# Altium PCB WCAM-TK-PCB-R02.PcbDoc (part 2 of 2)
Units mm, origin at the board's own origin, x right, y up, seen from the top; angles counter-clockwise.
Board outline 206 x 6 mm, 6 copper layers (Top Layer, Layer 1, Layer 2, Layer 3, Layer 4, Bottom Layer), stack 0.887 mm thick; 179 components, 113 nets, 601 pads, 260 vias.
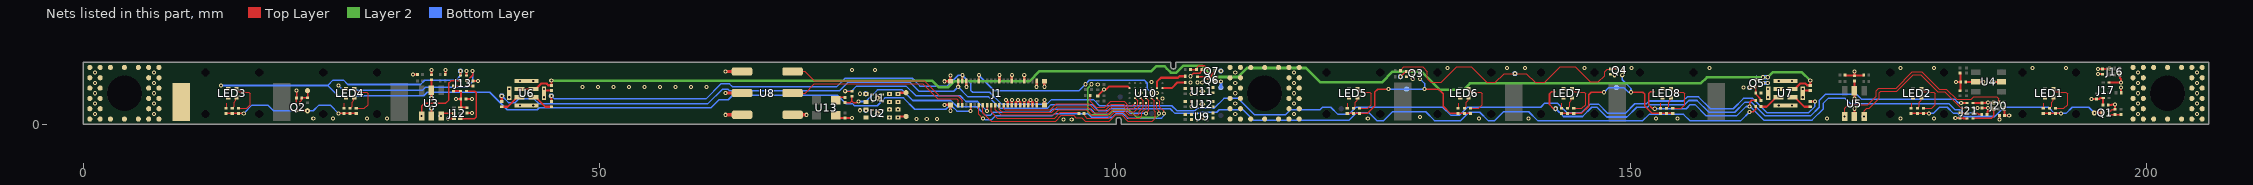
[diagram p6: the nets of this part, all layers, seen from the top]

## Via types
v1: diameter 0.4, hole 0.2, Top Layer to Bottom Layer, tented both sides, 260 vias

## Nets (pads, with @x,y where several pads share a name; then routed paths per layer and width w, separated by ;. In a path a pad name is that pad's centre, name@x,y a point inside that pad or via, vN(x,y) a via of type N, cw(c..) or ccw(c..) an arc to the next point about the centre after c; other vN are vias at no path point) (continued)
GND: C1.2 C2.2 C3.2 C4.2 C5.2 C6.2 C7.2 C8.2 C9.2 C10.2 C11.2 C12.2 C13.2 C14.2 C15.2 C16.2 C17.2 C18.2 C19.2 C20.2 C21.2 C22.2 C23.2 C24.2 C25.2 C26.2 C27.2 C29.2 C30.2 C31.2 C32.2 C33.2 C34.2 C35.2 J1.5 J1.21 J1.26 J1.27 J1.30 J1.32 J1.33 J1.36 J1.38 J1.39 J1.MT J12.3 J13.4 J16.3 J17.4 J20.3 J21.4 J22.1 pad.MT@0.65,0.5 pad.MT@0.65,1.5 pad.MT@0.65,2.5 pad.MT@0.65,3.5 pad.MT@0.65,4.5 pad.MT@0.65,5.5 pad.MT@1.65,0.5 pad.MT@1.65,1.5 pad.MT@1.65,2.5 pad.MT@1.65,3.5 pad.MT@1.65,4.5 pad.MT@1.65,5.5 pad.MT@2.65,0.5 pad.MT@2.65,5.5 pad.MT@4,0.5 pad.MT@4,5.5 pad.MT@5.35,0.5 pad.MT@5.35,5.5 pad.MT@6.35,0.5 pad.MT@6.35,1.5 pad.MT@6.35,2.5 pad.MT@6.35,3.5 pad.MT@6.35,4.5 pad.MT@6.35,5.5 pad.MT@7.35,0.5 pad.MT@7.35,1.5 pad.MT@7.35,2.5 pad.MT@7.35,3.5 pad.MT@7.35,4.5 pad.MT@7.35,5.5 pad.MT@111.15,0.5 pad.MT@111.15,1.5 pad.MT@111.15,2.5 pad.MT@111.15,3.5 pad.MT@111.15,4.5 pad.MT@111.15,5.5 pad.MT@112.15,0.5 pad.MT@112.15,1.5 pad.MT@112.15,2.5 pad.MT@112.15,3.5 pad.MT@112.15,4.5 pad.MT@112.15,5.5 pad.MT@113.15,0.5 pad.MT@113.15,5.5 pad.MT@114.5,0.5 pad.MT@114.5,5.5 pad.MT@115.85,0.5 pad.MT@115.85,5.5 pad.MT@116.85,0.5 pad.MT@116.85,1.5 pad.MT@116.85,2.5 pad.MT@116.85,3.5 pad.MT@116.85,4.5 pad.MT@116.85,5.5 pad.MT@117.85,0.5 pad.MT@117.85,1.5 pad.MT@117.85,2.5 pad.MT@117.85,3.5 pad.MT@117.85,4.5 pad.MT@117.85,5.5 pad.MT@198.65,0.5 pad.MT@198.65,1.5 pad.MT@198.65,2.5 pad.MT@198.65,3.5 pad.MT@198.65,4.5 pad.MT@198.65,5.5 pad.MT@199.65,0.5 pad.MT@199.65,1.5 pad.MT@199.65,2.5 pad.MT@199.65,3.5 pad.MT@199.65,4.5 pad.MT@199.65,5.5 pad.MT@200.65,0.5 pad.MT@200.65,5.5 pad.MT@202,0.5 pad.MT@202,5.5 pad.MT@203.35,0.5 pad.MT@203.35,5.5 pad.MT@204.35,0.5 pad.MT@204.35,1.5 pad.MT@204.35,2.5 pad.MT@204.35,3.5 pad.MT@204.35,4.5 pad.MT@204.35,5.5 pad.MT@205.35,0.5 pad.MT@205.35,1.5 pad.MT@205.35,2.5 pad.MT@205.35,3.5 pad.MT@205.35,4.5 pad.MT@205.35,5.5 Q1.2 Q2.2 Q3.2 Q4.2 Q7.2 R6.1 R17.1 R29.1 R41.1 R59.2 R62.2 TP8.TP TP31.TP U1.2 U1.5 U2.2 U2.5 U3.2 U4.2 U5.2 U6.5 U6.6 U6.7 U6.8 U7.3 U7.5 U7.6 U7.7 U7.8 U8.2 U8.3 U8.4 U9.2 U9.5 U10.B1 U10.C2 U10.C5 U10.D7 U10.E3 U11.2 U11.5 U12.2 U12.5 U13.2 | length 41.3
  Top Layer w0.15: Q2.2@20.65,1.95 20.65,2.52 R17.1@20.68,2.55 v1(20.68,3.25) ; v1(107.3,4.65) 107.3,4.665 107.36,4.725 107.375,4.725 107.6,4.95 108.2,4.95 108.34,5.09 108.34,5.24 R59.2@108.4,5.3 108.4,5.285 108.46,5.225 108.575,5.225 108.825,4.975 Q7.2@109.025,4.975 ; Q1.2@196.275,1.275 196.475,1.275 196.623,1.423 196.873,1.423 R6.1@196.9,1.45
  Top Layer w0.2: v1(31.95,4.8) C8.2@32.4,4.8 ; U3.2@33.75,0.8 v1(33.75,1.55) ; C7.2@33.75,4.8 v1(33.75,5.25) ; C9.2@35.1,4.8 v1(35.1,5.25) ; v1(35.35,0.55) J12.3@35.95,0.55 ; C10.2@37.1,2.45 v1(37.7,2.45) ; J13.4@37.14,4.7 v1(37.14,5.15) ; C11.2@37.2,1.1 v1(37.7,1.1) ; U6.5@44.645,3.262 C22.2@45.37,3.262 ; U13.2@72.925,0.875 73.2,0.6 C35.2@73.85,0.6 v1(74.5,0.6) ; C3.2@79.15,3.05 TP31.TP@79.75,3.05 ; R62.2@98.325,2.73 98.34,2.73 98.375,2.765 98.375,2.8 98.875,3.3 98.875,3.315 98.91,3.35 v1(98.925,3.35) 98.96,3.385 99.136,3.385 99.424,3.674 101.23,3.674 U10.D7@101.41,3.494 ; U7.5@166.645,3.262 C23.2@167.37,3.262 ; C18.2@170.75,4.75 170.75,4.7 C17.2@171.65,4.7 ; U5.2@171.65,0.75 v1(171.65,1.5) ; v1(171.65,5.1) C17.2@171.65,4.7 ; C19.2@172.55,4.75 172.55,4.7 C17.2@171.65,4.7 ; v1(181.5,4.1) C12.2@181.95,4.1 ; C13.2@181.9,3.25 181.915,3.25 181.95,3.285 C12.2@181.95,4.1 ; C14.2@181.9,4.95 181.915,4.95 181.95,4.915 C12.2@181.95,4.1 ; J21.4@183.126,2.061 183.976,2.061 183.984,2.069 184.419,2.069 184.45,2.1 v1(184.6,2.1) J20.3@185.15,2.1 ; v1(185.15,4.1) U4.2@185.9,4.1 ; v1(185.7,0.45) C21.2@185.7,0.85 ; v1(195.252,4.85) C20.2@195.71,4.85 ; C15.2@196.275,1.845 196.285,1.855 196.555,1.855 196.601,1.901 196.892,1.901 v1(196.9,1.908) R6.1@196.9,1.45 ; J17.4@196.34,4.05 v1(197.5,4.05) 197.496,4.054 197.496,4.354 197.392,4.458 197.392,4.768 J16.3@197.36,4.8
  Top Layer w0.25: v1(83.489,1.869) J1.MT@84.05,1.869 v1(84.05,1.308) ; v1(83.489,4.159) J1.MT@84.05,4.159 v1(84.05,4.72) ; v1(85.6,3.628) J1.5@85.6,4.189 ; J1.21@88.8,4.189 v1(88.8,4.75) ; v1(89.45,2.35) 89.45,2.309 89.6,2.159 J1.26@89.6,1.839 ; J1.27@90,4.189 v1(90,4.75) ; J1.30@90.4,1.839 90.4,2.129 v1@90.6,2.329 ; v1(90.6,2.35) v1@90.6,2.329 ; J1.32@90.8,1.839 90.8,2.129 v1@90.6,2.329 ; J1.33@91.2,4.189 v1(91.2,4.75) ; J1.36@91.6,1.839 91.6,2.129 v1@91.8,2.329 ; v1(91.8,2.35) v1@91.8,2.329 ; J1.38@92,1.839 92,2.129 v1@91.8,2.329 ; v1(92.4,3.628) J1.39@92.4,4.189 ; J1.MT@93.15,1.869 v1(93.15,2.35) ; v1(93.15,3.628) J1.MT@93.15,4.159
  Top Layer w0.3: v1(62.25,0.914) U8.3@63.85,0.914 ; v1(62.25,3.014) U8.2@63.85,3.014 ; U8.4@68.75,0.914 v1(70.1,0.914)
  other v1: 95,0.45 95.8,0.45 80.75,0.5 81.75,0.5 82.75,0.5 22.304,0.55 24.232,0.55 27.504,0.55 29.432,0.55 124.493,0.55 135.259,0.55 140.072,0.55 152.414,0.55 154.523,0.55 168.999,0.55 176.099,0.55 179.371,0.55 108.45,0.7 129.55,0.7 1.15,1 6.85,1 111.65,1 117.35,1 199.15,1 204.85,1 77,1.05 78.15,1.445 78.95,1.445 107.4,1.7 42.32,1.824 43.62,1.824 164.32,1.824 165.62,1.824 108.45,1.95 1.15,2 6.85,2 111.65,2 117.35,2 199.15,2 204.85,2 104.59,2.484 77,2.55 41.295,2.612 44.645,2.612 163.295,2.612 166.645,2.612 78.15,2.945 78.95,2.945 107.4,2.95 1.15,3 6.85,3 111.65,3 117.35,3 199.15,3 204.85,3 102.47,3.014 104.06,3.014 108.45,3.2 41.295,3.412 44.645,3.412 163.295,3.412 164.295,3.412 166.645,3.412 160.9,3.55 48.4,3.6 49.9,3.6 51.4,3.6 52.9,3.6 54.4,3.6 55.9,3.6 57.4,3.6 58.9,3.6 60.4,3.6 98.325,3.85 1.15,4 6.85,4 111.65,4 117.35,4 199.15,4 204.85,4 107.3,4.05 103.53,4.074 42.32,4.199 43.62,4.199 164.32,4.199 165.62,4.199 128.85,4.4 148.4,4.75 1.15,5 6.85,5 111.65,5 117.35,5 199.15,5 204.85,5 74.5,5.25 76.75,5.25 132.218,5.45 138,5.45 139.722,5.45 145.504,5.45 150.05,5.45 157.614,5.45 176.099,5.45 179.371,5.45 188.899,5.45 192.171,5.45
LSNS_SCL: J1.4 U8.6 | length 18.1
  Top Layer w0.1: U8.6@68.75,5.114 69.936,5.114 70.85,4.2 81.5,4.2 82.95,2.75 84.75,2.75 85.2,2.3 J1.4@85.2,1.839
LSNS_SDA: J1.2 U8.5 | length 17.5
  Top Layer w0.1: U8.5@68.75,3.014 69.964,3.014 70.85,3.9 81.35,3.9 82.8,2.45 84.65,2.45 84.8,2.3 J1.2@84.8,1.839
MIC_D: J21.2 R40.1 | length 0.9
  Top Layer w0.15: J21.2@183.126,1.061 183.559,1.061 183.67,0.95 R40.1@184,0.95
MIC_D\I\S\: J21.6 TP18.TP U5.3 | length 13.6
  Top Layer w0.1: v1(172.6,0.75) 172.6,1.3 172.85,1.55 173.1,1.55 174.05,2.5 174.05,3.05 174.2,3.2 175.75,3.2 177.35,4.8 178.1,4.8 179.75,3.15 180.4,3.15 181.989,1.561 J21.6@182.546,1.561
MIC_DISABLE: J21.3 LED8.1 R50.1 | length 38.8
  Top Layer w0.15: 152.25,3.15 151.9,3.15 151.7,2.95 151.7,1.9 152.1,1.5 v1(152.3,1.5) ; v1(161.485,1.715) 161.5,1.73 161.5,2.1 161.712,2.312 R50.1@162.09,2.312
  Top Layer w0.2: J21.3@183.126,1.561 v1(183.576,1.561)
  Bottom Layer w0.15: v1(152.3,1.5) 155.35,1.5 155.75,1.9 156.2,1.9 157.3,0.8 160.235,0.8 161.15,1.715 161.552,1.715 162.868,0.4 167.55,0.4 168.65,1.5 168.65,2.05 169.1,2.5 170.75,2.5 171.25,2 180.8,2 181.4,1.4 181.85,1.4 182.15,1.1 183.116,1.1 v1(183.576,1.561)
MIC_E\N\: J20.4 J21.1 | length 2.8
  Top Layer w0.15: J21.1@183.126,0.561 184.911,0.561 185.15,0.8 J20.4@185.15,1.5
MIC_EN: J20.2 TP17.TP U5.1 | length 19.2
  Top Layer w0.1: v1(170.7,0.75) 170.7,1.55 171.05,1.9 172.95,1.9 173.75,2.7 173.75,3.25 174,3.5 175.7,3.5 177.266,5.066 178.184,5.066 179.85,3.4 180.55,3.4 181.55,2.4 182.95,2.4 183.2,2.65 185.45,2.65 185.65,2.45 J20.2@185.65,2.1
MIC_S\D: J21.7 R39.1 | length 0.7
  Top Layer w0.15: R39.1@181.886,1.111 181.936,1.061 J21.7@182.546,1.061
MLED_EN: J21.5 LED7.1 TP21.TP | length 47.1
  Top Layer w0.15: 142.65,3.15 142.3,3.15 142.1,2.95 142.1,1.9 142.5,1.5 v1(142.7,1.5)
  Top Layer w0.2: v1(182,2.05) 182.011,2.061 J21.5@182.546,2.061
  Bottom Layer w0.15: v1(142.7,1.5) 143.45,0.75 145.3,0.75 146.2,1.65 146.7,1.65 147.65,0.7 149.6,0.7 150.55,1.65 151.6,1.65 151.85,1.9 155.2,1.9 155.6,2.3 156.4,2.3 157.55,1.15 160.05,1.15 161.05,2.15 161.65,2.15 163,0.8 167.4,0.8 168.25,1.65 168.25,2.3 168.85,2.9 171.85,2.9 172.35,2.4 181.4,2.4 181.724,2.076 181.974,2.076 v1(182,2.05)
NetC24_1: C24.1 R54.1 U9.1
NetC25_1: C25.1 C30.1 C34.1 Q6.3 TP26.TP U9.4 U11.4 U12.3 U12.4 | length 0.6
  Bottom Layer w0.3: TP26.TP@110.25,3.55 v1(110.25,4.15)
NetC29_1: C29.1 R56.1 U11.1
NetC31_1: C31.1 R57.1 U12.1
NetJ1_1: J1.1 R47.2 R48.1 TP22.TP | length 130.7
  Top Layer w0.15: v1(84.8,3.628) J1.1@84.8,4.189 ; v1(161.5,1.2) 161.85,1.2 162.075,1.425 162.075,1.697 R48.1@162.09,1.712
  Top Layer w0.2: R47.2@40.57,2.192 v1(40.57,2.75)
  Bottom Layer w0.15: v1(40.57,2.75) 41.22,2.1 41.874,2.1 42.224,2.45 43.7,2.45 44.15,2 60.55,2 61.95,3.4 62.5,3.4 62.65,3.25 73.3,3.25 74.1,4.05 80.15,4.05 81,3.2 84.372,3.2 v1(84.8,3.628) 84.8,3.6 85.75,2.65 87.75,2.65 88.85,1.55 93.45,1.55 93.8,1.9 97.8,1.9 98.4,1.3 99.3,1.3 99.5,1.5 105.35,1.5 105.8,1.05 108.15,1.05 108.25,1.15 109.85,1.15 110.1,1.4 112.4,1.4 113.4,0.4 122.7,0.4 123.4,1.1 124.6,1.1 125.35,0.35 126.05,0.35 126.9,1.2 130.1,1.2 130.95,0.35 133.5,0.35 134.3,1.15 135.35,1.15 136.15,0.35 136.8,0.35 137.65,1.2 140.1,1.2 140.95,0.35 151.15,0.35 151.75,0.95 155.1,0.95 155.7,0.35 160.65,0.35 v1(161.5,1.2)
NetJ1_3: J1.3 R45.2 R46.1 TP23.TP | length 134.9
  Top Layer w0.15: J1.3@85.2,4.189 v1(85.2,4.75)
  Top Layer w0.2: R45.2@45.37,2.192 v1(45.37,2.75) ; R46.1@167.37,2.192 v1(167.828,2.192)
  Bottom Layer w0.15: v1(45.37,2.75) 45.67,2.45 60.35,2.45 61.8,3.9 62.65,3.9 62.9,3.65 73.05,3.65 73.85,4.45 80.35,4.45 81.1,3.7 83.75,3.7 84.8,4.75 v1(85.2,4.75) 86,3.95 86,3.3 86.2,3.1 87.85,3.1 89,1.95 93.4,1.95 93.8,2.35 97.95,2.35 98.5,1.8 105.5,1.8 106,1.3 107.75,1.3 108,1.55 109.6,1.55 110.55,2.5 111.95,2.5 113.55,0.9 116.5,0.9 117,1.4 119.85,1.4 120.1,1.65 120.9,1.65 121.6,0.95 122.65,0.95 123.35,1.65 131.75,1.65 132.55,0.85 133.35,0.85 134.15,1.65 141.25,1.65 141.65,2.05 142.85,2.05 143.8,1.1 145.2,1.1 146.05,1.95 146.85,1.95 147.75,1.05 149.45,1.05 150.375,1.975 150.466,1.975 150.491,2 151.5,2 151.75,2.25 155.05,2.25 155.45,2.65 156.55,2.65 157.7,1.5 159.9,1.5 160.9,2.5 161.8,2.5 163.201,1.099 165.749,1.099 ; 165.75,1.1 167.2,1.1 167.828,1.728 v1(167.828,2.192)
NetLED1_2: LED1.2 R3.1 | length 3.9
  Top Layer w0.1: LED1.2@190.935,3.4 191.185,3.15 191.5,3.15 191.55,3.1 192.15,3.1 192.3,2.95 192.3,1.9 191.95,1.55 R3.1@191.15,1.55
NetLED1_3: LED1.3 R1.1 | length 1.2
  Top Layer w0.1: R1.1@190.55,1.55 190.565,1.55 190.65,1.635 190.65,1.65 190.75,1.75 190.75,2.15 190.909,2.309 190.909,2.574 LED1.3@190.935,2.6
NetLED1_4: LED1.4 R2.1 | length 0.6
  Top Layer w0.1: R2.1@189.95,1.55 190,1.55 190,2.05
NetLED2_2: LED2.2 R8.1 | length 3.9
  Top Layer w0.1: LED2.2@178.135,3.4 178.385,3.15 178.7,3.15 178.75,3.1 179.35,3.1 179.5,2.95 179.5,1.9 179.15,1.55 R8.1@178.35,1.55
NetLED2_3: LED2.3 R5.1 | length 1.2
  Top Layer w0.1: R5.1@177.75,1.55 177.765,1.55 177.85,1.635 177.85,1.65 177.95,1.75 177.95,2.15 178.109,2.309 178.109,2.574 LED2.3@178.135,2.6
NetLED2_4: LED2.4 R7.1 | length 0.6
  Top Layer w0.1: R7.1@177.15,1.55 177.2,1.55 177.2,2.05
NetLED3_2: LED3.2 R14.1 | length 3.9
  Top Layer w0.1: LED3.2@14.835,3.4 15.085,3.15 15.4,3.15 15.45,3.1 16.05,3.1 16.2,2.95 16.2,1.9 15.85,1.55 R14.1@15.05,1.55
NetLED3_3: LED3.3 R11.1 | length 1.2
  Top Layer w0.1: R11.1@14.45,1.55 14.465,1.55 14.55,1.635 14.55,1.65 14.65,1.75 14.65,2.15 14.809,2.309 14.809,2.574 LED3.3@14.835,2.6
NetLED3_4: LED3.4 R12.1 | length 0.6
  Top Layer w0.1: R12.1@13.85,1.55 13.9,1.55 13.9,2.05
NetLED4_2: LED4.2 R20.1 | length 3.9
  Top Layer w0.1: LED4.2@26.251,3.4 26.501,3.15 26.816,3.15 26.866,3.1 27.466,3.1 27.616,2.95 27.616,1.9 27.266,1.55 R20.1@26.466,1.55
NetLED4_3: LED4.3 R18.1 | length 1.2
  Top Layer w0.1: R18.1@25.866,1.55 25.881,1.55 25.966,1.635 25.966,1.65 26.066,1.75 26.066,2.15 26.225,2.309 26.225,2.574 LED4.3@26.251,2.6
NetLED4_4: LED4.4 R19.1 | length 0.6
  Top Layer w0.1: R19.1@25.266,1.55 25.316,1.55 25.316,2.05
NetLED5_2: LED5.2 R26.1 | length 3.9
  Top Layer w0.1: LED5.2@123.485,3.4 123.735,3.15 124.05,3.15 124.1,3.1 124.7,3.1 124.85,2.95 124.85,1.9 124.5,1.55 R26.1@123.7,1.55
NetLED5_3: LED5.3 R23.1 | length 1.2
  Top Layer w0.1: R23.1@123.1,1.55 123.115,1.55 123.2,1.635 123.2,1.65 123.3,1.75 123.3,2.15 123.459,2.309 123.459,2.574 LED5.3@123.485,2.6
NetLED5_4: LED5.4 R24.1 | length 0.6
  Top Layer w0.1: R24.1@122.5,1.55 122.55,1.55 122.55,2.05
NetLED6_2: LED6.2 R32.1 | length 3.9
  Top Layer w0.1: LED6.2@134.235,3.4 134.485,3.15 134.8,3.15 134.85,3.1 135.45,3.1 135.6,2.95 135.6,1.9 135.25,1.55 R32.1@134.45,1.55
NetLED6_3: LED6.3 R30.1 | length 1.2
  Top Layer w0.1: R30.1@133.85,1.55 133.865,1.55 133.95,1.635 133.95,1.65 134.05,1.75 134.05,2.15 134.209,2.309 134.209,2.574 LED6.3@134.235,2.6
NetLED6_4: LED6.4 R31.1 | length 0.6
  Top Layer w0.1: R31.1@133.25,1.55 133.3,1.55 133.3,2.05
NetLED7_2: LED7.2 R38.1 | length 3.9
  Top Layer w0.1: LED7.2@144.235,3.4 144.485,3.15 144.8,3.15 144.85,3.1 145.45,3.1 145.6,2.95 145.6,1.9 145.25,1.55 R38.1@144.45,1.55
NetLED7_3: LED7.3 R35.1 | length 1.2
  Top Layer w0.1: R35.1@143.85,1.55 143.865,1.55 143.95,1.635 143.95,1.65 144.05,1.75 144.05,2.15 144.209,2.309 144.209,2.574 LED7.3@144.235,2.6
NetLED7_4: LED7.4 R36.1 | length 0.6
  Top Layer w0.1: R36.1@143.25,1.55 143.3,1.55 143.3,2.05
NetLED8_2: LED8.2 R44.1 | length 3.9
  Top Layer w0.1: LED8.2@153.835,3.4 154.085,3.15 154.4,3.15 154.45,3.1 155.05,3.1 155.2,2.95 155.2,1.9 154.85,1.55 R44.1@154.05,1.55
NetLED8_3: LED8.3 R42.1 | length 1.2
  Top Layer w0.1: R42.1@153.45,1.55 153.465,1.55 153.55,1.635 153.55,1.65 153.65,1.75 153.65,2.15 153.809,2.309 153.809,2.574 LED8.3@153.835,2.6
NetLED8_4: LED8.4 R43.1 | length 0.6
  Top Layer w0.1: R43.1@152.85,1.55 152.9,1.55 152.9,2.05
NetQ1_1: Q1.1 R4.1 R6.2 | length 1.2
  Top Layer w0.15: Q1.1@196.275,0.925 197.475,0.925 R4.1@197.5,0.95
NetQ1_3: Q1.3 R1.2 R2.2 R3.2 R5.2 R7.2 R8.2 TP4.TP | length 21.9
  Top Layer w0.15: R7.2@177.15,1.05 R5.2@177.75,1.05 R8.2@178.35,1.05 v1(178.866,1.05) ; R2.2@189.95,1.05 R1.2@190.55,1.05 R3.2@191.15,1.05 v1(191.666,1.05)
  Top Layer w0.25: v1(194.9,1.1) Q1.3@195.625,1.1
  Bottom Layer w0.15: v1(178.866,1.05) 179.3,1.05 179.9,1.65 180.65,1.65 181.25,1.05 181.65,1.05 181.95,0.75 185.25,0.75 186.15,1.65 190.45,1.65 191.05,1.05 v1(191.666,1.05) 192.15,1.05 192.75,1.65 194.35,1.65 v1(194.9,1.1)
NetQ2_1: Q2.1 R13.1 R17.2 TP9.TP | length 1.9
  Top Layer w0.15: Q2.1@21,1.95 21,2.15 21.15,2.3 21.15,2.52 R17.2@21.18,2.55 21.74,2.55 R13.1@21.76,2.57 21.75,2.58 TP9.TP@21.75,3.25
NetQ2_3: Q2.3 R11.2 R12.2 R14.2 R18.2 R19.2 R20.2 TP10.TP | length 14.7
  Top Layer w0.15: R12.2@13.85,1.05 R14.2@15.05,1.05 v1(15.566,1.05) ; v1(24.75,1.05) R19.2@25.266,1.05 R18.2@25.866,1.05 R20.2@26.466,1.05
  Top Layer w0.25: Q2.3@20.825,1.3 v1(21.75,1.3)
  Bottom Layer w0.15: v1(15.566,1.05) 16.366,1.85 17.9,1.85 18.45,1.3 v1(21.75,1.3) 22.3,1.3 22.85,1.85 23.95,1.85 v1(24.75,1.05)
NetQ3_1: Q3.1 R25.1 R29.2 TP14.TP | length 1.5
  Top Layer w0.15: v1(127.65,4.6) 127.65,4.615 127.71,4.675 127.725,4.675 127.95,4.9 128.09,5.04 128.19,5.04 R29.2@128.25,5.1 128.275,5.125 Q3.1@128.875,5.125
NetQ3_3: Q3.3 R23.2 R24.2 R26.2 R30.2 R31.2 R32.2 TP15.TP | length 16.6
  Top Layer w0.15: R24.2@122.5,1.05 R26.2@123.7,1.05 124.45,1.05 125.15,1.75 125.15,3.1 125.45,3.4 v1(126.5,3.4) ; v1(130,3.4) 131.35,3.4 131.8,2.95 131.8,1.75 132.5,1.05 R31.2@133.25,1.05 R30.2@133.85,1.05 R32.2@134.45,1.05
  Bottom Layer w0.15: v1(126.5,3.4) v1(130,3.4) 130,3.95 v1(129.55,4.4)
NetQ4_1: Q4.1 R37.1 R41.2 TP19.TP | length 26.1
  Top Layer w0.1: R37.1@127.65,5.2 127.65,5.215 127.735,5.3 127.75,5.3 128,5.55 129.8,5.55 130.25,5.1 130.25,4.4 130.6,4.05 131.613,4.05 133.113,5.55 134.5,5.55 136,4.05 136.85,4.05 137.7,4.9 139.85,4.9 140.7,4.05 141.65,4.05 143.15,5.55 144.6,5.55 146.05,4.1 146.85,4.1 147.45,4.7 147.45,5.1 147.7,5.35 R41.2@148,5.35
  Top Layer w0.15: R41.2@148,5.35 148.3,5.35 148.35,5.4 Q4.1@148.6,5.4
  other v1: 138.75,4.9
NetQ4_3: Q4.3 R35.2 R36.2 R38.2 R42.2 R43.2 R44.2 TP20.TP | length 16.2
  Top Layer w0.15: R36.2@143.25,1.05 R35.2@143.85,1.05 R38.2@144.45,1.05 145.2,1.05 145.9,1.75 145.9,2.85 146.15,3.1 v1(147.4,3.1) ; v1(150,3.1) 151.15,3.1 151.35,2.9 151.35,1.75 152.05,1.05 R43.2@152.85,1.05 R42.2@153.45,1.05 R44.2@154.05,1.05
  Bottom Layer w0.15: v1(147.4,3.1) 147.85,3.55 149.3,3.55 149.75,3.1 v1(150,3.1) 150,3.45 149.15,4.3 v1(149.15,4.75)
NetQ5_1: Q5.1 R49.1 R50.2 TP25.TP | length 2.2
  Top Layer w0.15: v1(161.5,3.55) 161.8,3.55 161.882,3.632 Q5.1@162.07,3.632 ; Q5.1@162.07,3.662 Q5.1@162.07,3.632 ; R50.2@162.59,2.312 162.53,2.372 162.53,2.47 162.155,2.845 162.155,2.977 R49.1@162.095,3.037 162.07,3.062 Q5.1@162.07,3.632
NetQ6_1: Q6.1 Q7.3 R55.2 TP29.TP | length 2.3
  Top Layer w0.15: R55.2@108,4.6 108.647,4.6 108.822,4.425 Q6.1@109.025,4.425 109.125,4.425 109.3,4.6 109.3,4.75 109.525,4.975 109.625,4.975 109.675,5.025 Q7.3@109.675,5.15 Q7.3@109.625,5.1
  other v1: 110.25,5.15
NetQ7_1: Q7.1 R58.2 R59.1 | length 2.1
  Top Layer w0.15: R58.2@107.3,5.3 R59.1@107.9,5.3 107.95,5.35 107.95,5.5 108.1,5.65 108.7,5.65 108.975,5.375 108.975,5.325 Q7.1@109.025,5.325
NetR45_1: R45.1 U6.1 | length 2.1
  Top Layer w0.2: U6.1@43.645,2.612 43.92,2.612 44.02,2.512 44.02,2.47 44.798,1.692 R45.1@45.37,1.692
NetR46_2: R46.2 U7.1 | length 2.1
  Top Layer w0.2: U7.1@165.645,2.612 165.92,2.612 166.02,2.512 166.02,2.47 166.798,1.692 R46.2@167.37,1.692
NetR47_1: R47.1 U6.2 | length 2.1
  Top Layer w0.2: R47.1@40.57,1.692 41.142,1.692 41.92,2.47 41.92,2.512 42.02,2.612 U6.2@42.295,2.612
NetR48_2: R48.2 U7.2 | length 2.1
  Top Layer w0.2: R48.2@162.57,1.692 163.142,1.692 163.92,2.47 163.92,2.512 164.02,2.612 U7.2@164.295,2.612
NetR60_1: R60.1 U10.A4 | length 7.8
  Top Layer w0.1: R60.1@97,1.05 97.041,1.009 97.041,0.809 97.25,0.6 99.35,0.6 99.9,1.15 100.8,1.15 101.35,0.6 102.4,0.6 102.6,0.8 102.6,1.15 103,1.55 U10.A4@103,2.014
NetR63_1: R63.1 U13.3 | length 1
  Top Layer w0.15: U13.3@72.925,2.325 73.2,2.6 R63.1@73.85,2.6
SNS_FSIN: J1.14 U10.B3 | length 20.9
  Top Layer w0.1: J1.14@87.2,1.839 87.2,1.1 88,0.3 94.25,0.3 94.8,0.85 96,0.85 96.2,0.65 96.75,0.65 97.1,0.3 99.45,0.3 100.05,0.9 100.65,0.9 101.25,0.3 103.6,0.3 103.9,0.6 103.9,1.195 103.8,1.295 103.8,2.264 U10.B3@103.53,2.534
SNS_GPIO: J1.22 U10.A5 | length 15.6
  Top Layer w0.1: J1.22@88.8,1.839 88.8,1.45 89.1,1.15 93.85,1.15 94.4,1.7 97.3,1.7 97.9,1.1 99.15,1.1 99.75,1.7 100.831,1.7 101.331,1.2 101.85,1.2 102.46,1.81 102.46,2.044 U10.A5@102.47,2.054
SNS_PWDNB: J1.12 U10.B2 | length 21.8
  Top Layer w0.1: J1.12@86.8,1.839 86.8,0.95 v1(87.2,0.55) ; U10.B2@104.06,2.534 104.06,2.507 104.11,2.457 104.11,2.437 104.34,2.207 104.34,1.66 104.7,1.3 104.7,1.1 v1(104.75,1.05)
  Bottom Layer w0.15: v1(87.2,0.55) 87.268,0.55 87.368,0.45 88.05,0.45 88.4,0.8 93.9,0.8 94.1,1 97.4,1 97.75,0.65 99.7,0.65 100.05,1 100.8,1 101.2,0.6 104.5,0.6 104.702,0.802 104.702,1.002 v1(104.75,1.05)
SNS_SCL: J1.24 U10.B6 | length 15.1
  Top Layer w0.1: J1.24@89.2,1.839 89.228,1.811 89.228,1.522 89.346,1.404 93.704,1.404 94.3,2 97.45,2 98.05,1.4 99.1,1.4 99.65,1.95 100.864,1.95 101.314,1.5 101.767,1.5 102.2,1.933 102.2,2.274 U10.B6@101.94,2.534
SNS_SDA: J1.20 U10.B5 | length 17.3
  Top Layer w0.1: J1.20@88.4,1.839 88.4,1.4 88.9,0.9 94.05,0.9 94.55,1.4 97.2,1.4 97.75,0.85 99.25,0.85 99.8,1.4 100.849,1.4 101.349,0.9 102.25,0.9 102.35,1 102.35,1.25 102.73,1.63 102.73,2.274 U10.B5@102.47,2.534
SNS_SID: R53.1 U10.A6 | length 5.6
  Top Layer w0.1: R53.1@97.605,2.79 97.605,2.245 98.2,1.65 99,1.65 99.578,2.228 100.869,2.228 101.293,1.804 101.69,1.804 U10.A6@101.94,2.054
SNS_STROBE: J1.18 R60.2 | length 9.7
  Top Layer w0.1: J1.18@88,1.839 88,1.2 88.6,0.6 94.15,0.6 94.7,1.15 96.415,1.15 96.5,1.065 R60.2@96.5,1.05
SNS_VH: C33.1 U10.D1 | length 2.4
  Top Layer w0.2: U10.D1@104.59,3.494 105.494,3.494 106.05,4.05 C33.1@106.8,4.05
SNS_VN: C32.1 U10.D2 | length 3.6
  Top Layer w0.2: U10.D2@104.06,3.494 104.06,4.11 104.45,4.5 106.1,4.5 106.25,4.65 C32.1@106.8,4.65
SNS_XSHDN: J1.11 R51.1 U10.C3 | length 19.2
  Top Layer w0.15: J1.11@86.8,4.189 v1(86.8,4.75)
  Bottom Layer w0.1: 103.122,3.422 v1(103.53,3.014)
  Bottom Layer w0.15: v1(86.8,4.75) 88.3,3.25 96.505,3.25 v1(97.125,3.87) 97.505,4.25 102.85,4.25 103.122,3.978 103.122,3.422
SNS_XSHDN2: R52.1 U10.A2 | length 11.7
  Top Layer w0.1: U10.A2@104.06,2.054 104.06,1.49 104.228,1.322 104.228,1.072 v1(104.25,1.05)
  Layer 2 w0.15: v1(97.725,3.87) 97.35,3.495 97.35,1.2 97.65,0.9 99.4,0.9 99.9,1.4 101.35,1.4 102.1,0.65 104,0.65 104.202,0.852 104.202,1.002 v1(104.25,1.05)
SNS_XVCLK: R61.1 R63.2 U10.B4 | length 33.6
  Top Layer w0.1: v1(103,1.05) 103.28,1.33 103.28,2.254 U10.B4@103,2.534
  Top Layer w0.15: R63.2@73.85,2.1 74.35,2.1 74.5,2.25 ; R61.1@74.5,2.7 74.5,2.25 ; v1(75.15,2.2) 75.082,2.2 74.982,2.1 74.65,2.1 74.5,2.25
  Bottom Layer w0.15: v1(75.15,2.2) 75.85,2.2 76.97,3.32 79.38,3.32 80.4,2.3 84.1,2.3 84.7,1.7 86.6,1.7 87.45,0.85 87.9,0.85 88.2,1.15 93.65,1.15 93.95,1.45 97.65,1.45 98.15,0.95 99.45,0.95 99.75,1.25 101.25,1.25 101.45,1.05 v1(103,1.05)
VCC3.3: C5.1 C10.1 C11.1 C15.1 C16.1 C20.1 C21.1 J12.6 J13.8 J16.6 J17.8 J20.6 J21.8 R15.2 R16.2 R27.2 R28.2 R39.2 R40.2 TP3.TP U2.1 | length 10.9